# Altium PCB WX0.000.863拼板.PcbDoc (part 15 of 15)
Units mm, origin at the board's own origin, x right, y up, seen from the top; angles counter-clockwise.
Board outline 150.37 x 286.89 mm, 2 copper layers (Top Layer, Bottom Layer); 840 components, 0 nets, 2516 pads, 1604 vias.
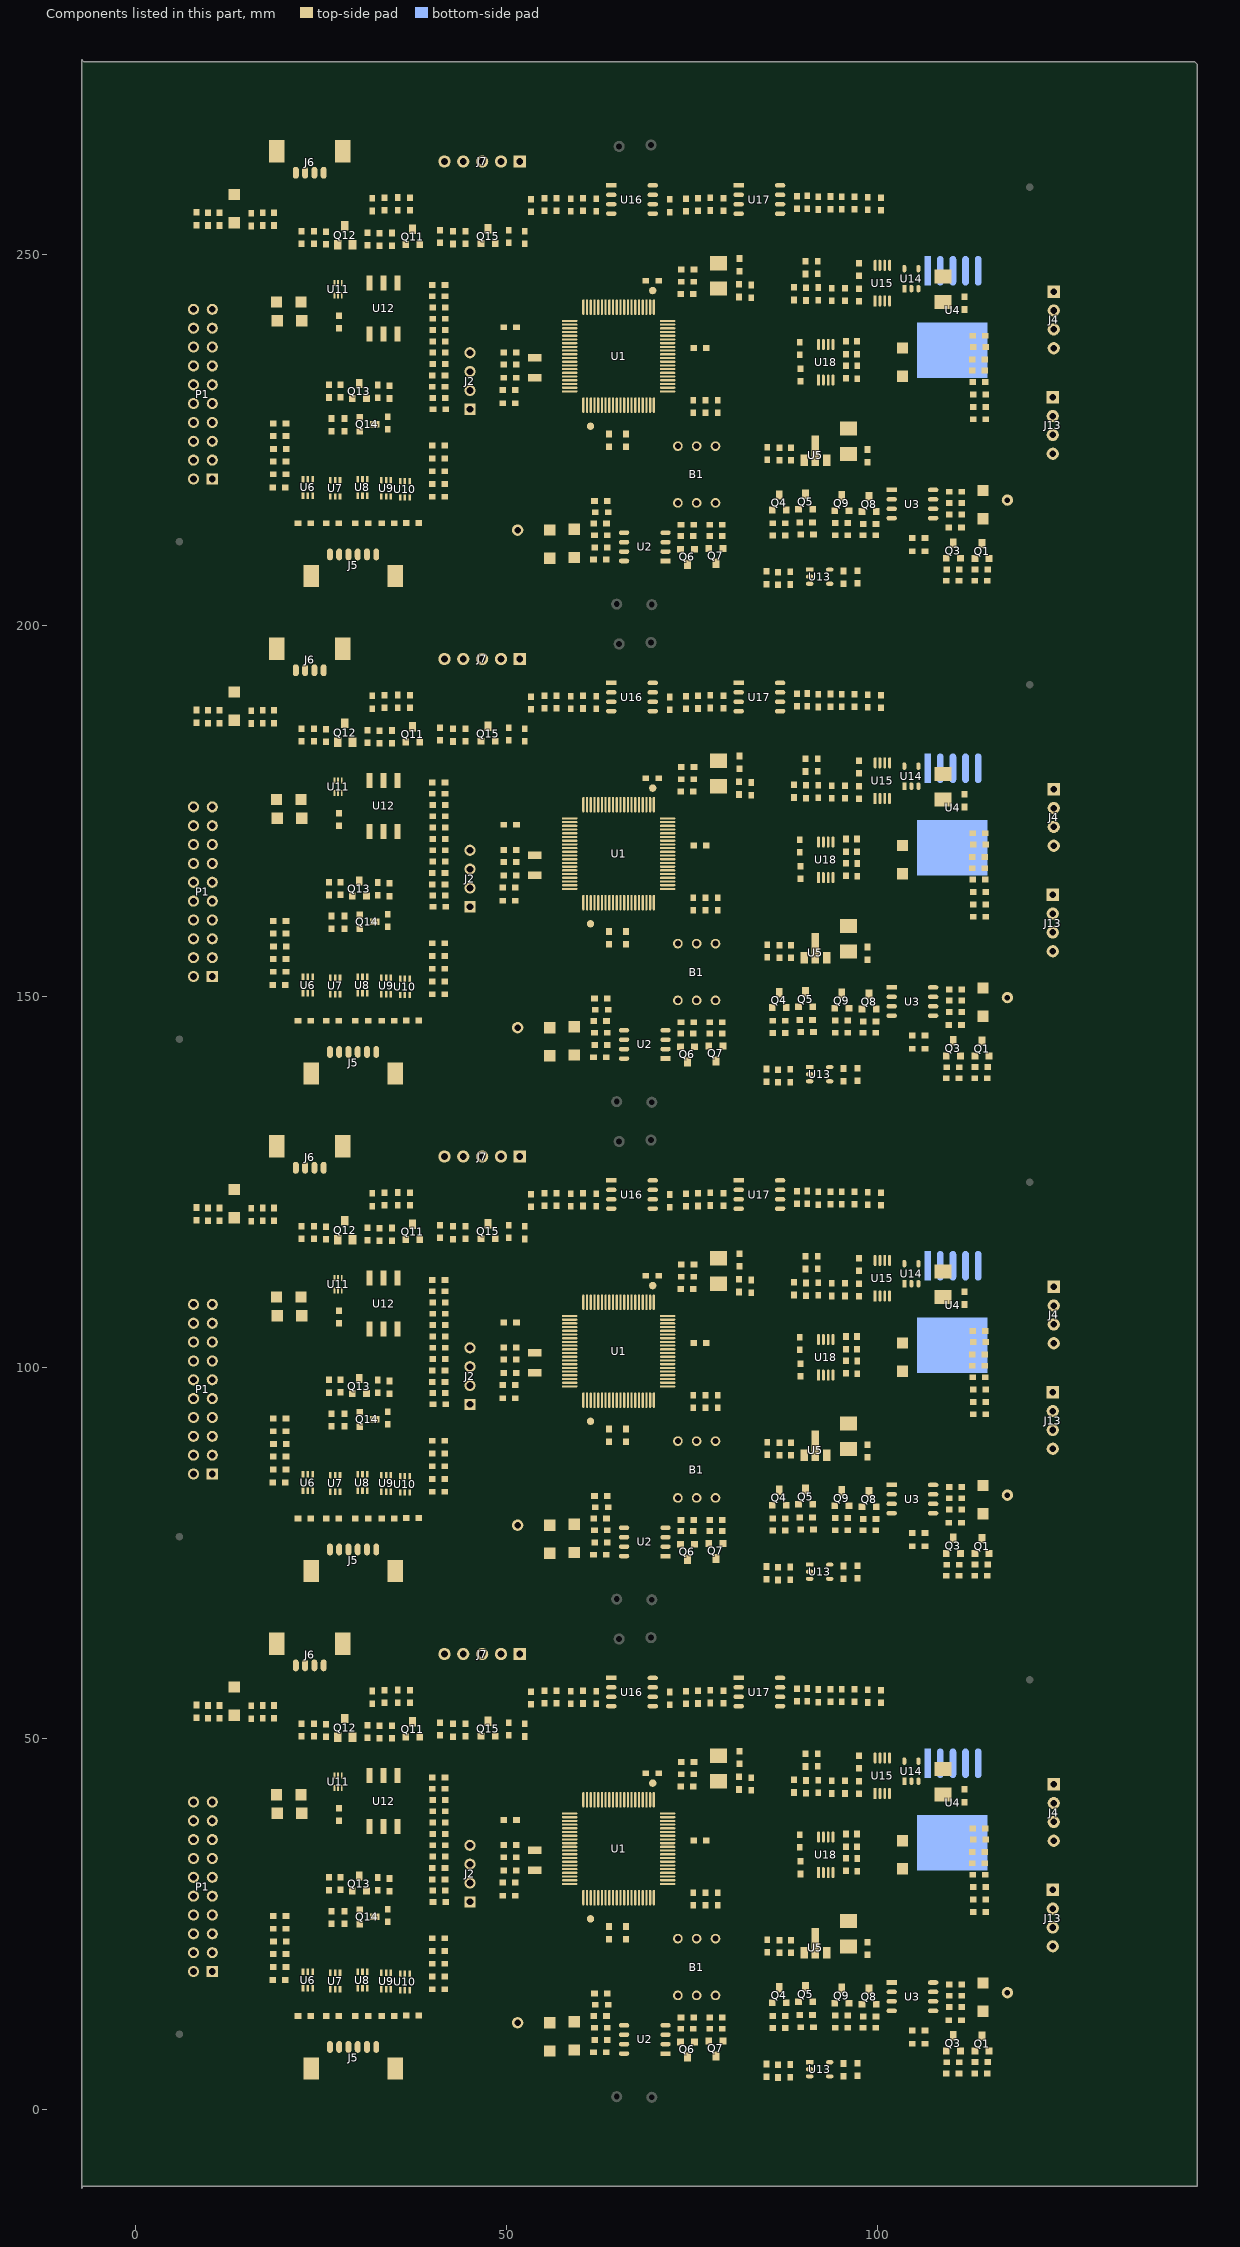
[diagram p15: the components of this part, seen from the top]

## Via types
v1: diameter 0.635, hole 0.381, Top Layer to Bottom Layer, tented both sides, 1604 vias

## Nets (pads, with @x,y where several pads share a name; then routed paths per layer and width w, separated by ;. In a path a pad name is that pad's centre, name@x,y a point inside that pad or via, vN(x,y) a via of type N, cw(c..) or ccw(c..) an arc to the next point about the centre after c; other vN are vias at no path point) (continued)
copper on no net: (continued)
  Bottom Layer w0.635: v1(80.391,17.78) 81.082,17.089 85.06,17.089 ; v1(80.391,84.836) 81.082,84.145 85.06,84.145 ; v1(80.391,151.892) 81.082,151.201 85.06,151.201 ; v1(80.391,218.948) 81.082,218.257 85.06,218.257 ; 84.729,17.089 ccw(c84.729,17.887) v1(85.293,17.323) ; 84.729,84.145 ccw(c84.729,84.943) v1(85.293,84.379) ; 84.729,151.201 ccw(c84.729,151.999) v1(85.293,151.435) ; 84.729,218.257 ccw(c84.729,219.055) v1(85.293,218.491) ; v1(102.184,26.365) 102.184,28.6 104.089,30.505 v1(104.191,30.505) ; v1(102.184,93.421) 102.184,95.656 104.089,97.561 v1(104.191,97.561) ; v1(102.184,160.477) 102.184,162.712 104.089,164.617 v1(104.191,164.617) ; v1(102.184,227.533) 102.184,229.768 104.089,231.673 v1(104.191,231.673) ; v1(102.591,41.326) 102.591,38.506 v1(103.149,37.948) ; v1(102.591,108.382) 102.591,105.562 v1(103.149,105.004) ; v1(102.591,175.438) 102.591,172.618 v1(103.149,172.06) ; v1(102.591,242.494) 102.591,239.674 v1(103.149,239.116) ; v1@104.496,45.263 104.496,42.367 109.347,42.367 110.185,43.205 110.185,46.614 ; v1@104.496,112.319 104.496,109.423 109.347,109.423 110.185,110.261 110.185,113.67 ; v1@104.496,179.375 104.496,176.479 109.347,176.479 110.185,177.317 110.185,180.726 ; v1@104.496,246.431 104.496,243.535 109.347,243.535 110.185,244.373 110.185,247.782 ; v1(105.613,45.491) 105.562,45.491 105.562,46.584 105.689,46.711 106.688,46.711 106.785,46.614 108.485,46.614 ; v1(105.613,112.547) 105.562,112.547 105.562,113.64 105.689,113.767 106.688,113.767 106.785,113.67 108.485,113.67 ; v1(105.613,179.603) 105.562,179.603 105.562,180.696 105.689,180.823 106.688,180.823 106.785,180.726 108.485,180.726 ; v1(105.613,246.659) 105.562,246.659 105.562,247.752 105.689,247.879 106.688,247.879 106.785,247.782 108.485,247.782 ; 106.231,46.711 cw(c106.231,46.06) 106.692,46.52 ; 106.231,113.767 cw(c106.231,113.116) 106.692,113.576 ; 106.231,180.823 cw(c106.231,180.172) 106.692,180.632 ; 106.231,247.879 cw(c106.231,247.228) 106.692,247.688 ; 110.085,35.916 110.085,36.679 v1(110.388,36.982) ccw(c111.12,36.25) 110.085,36.25 ; 110.085,102.972 110.085,103.735 v1(110.388,104.038) ccw(c111.12,103.306) 110.085,103.306 ; 110.085,170.028 110.085,170.791 v1(110.388,171.094) ccw(c111.12,170.362) 110.085,170.362 ; 110.085,237.084 110.085,237.847 v1(110.388,238.15) ccw(c111.12,237.418) 110.085,237.418
  Bottom Layer w0.762: 105.005,35.966 cw(c105.005,34.113) 106.701,34.862 ; 105.005,103.022 cw(c105.005,101.169) 106.701,101.918 ; 105.005,170.078 cw(c105.005,168.225) 106.701,168.974 ; 105.005,237.134 cw(c105.005,235.281) 106.701,236.03 ; 105.041,35.966 ccw(c105.041,37.837) 106.73,37.034 ; 105.041,103.022 ccw(c105.041,104.893) 106.73,104.09 ; 105.041,170.078 ccw(c105.041,171.949) 106.73,171.146 ; 105.041,237.134 ccw(c105.041,239.005) 106.73,238.202 ; 106.004,34.554 ccw(c103.835,33.596) 103.835,35.966 ; 106.004,101.61 ccw(c103.835,100.652) 103.835,103.022 ; 106.004,168.666 ccw(c103.835,167.708) 103.835,170.078 ; 106.004,235.722 ccw(c103.835,234.764) 103.835,237.134 ; 106.042,37.361 cw(c103.835,38.409) 103.835,35.966 ; 106.042,104.417 cw(c103.835,105.465) 103.835,103.022 ; 106.042,171.473 cw(c103.835,172.521) 103.835,170.078 ; 106.042,238.529 cw(c103.835,239.577) 103.835,237.134 ; 108.298,38.772 ccw(c105.938,42.545) 110.388,42.545 ; 108.298,105.828 ccw(c105.938,109.601) 110.388,109.601 ; 108.298,172.884 ccw(c105.938,176.657) 110.388,176.657 ; 108.298,239.94 ccw(c105.938,243.713) 110.388,243.713 ; 108.703,38.126 ccw(c106.799,41.169) 110.388,41.169 ; 108.703,105.182 ccw(c106.799,108.225) 110.388,108.225 ; 108.703,172.238 ccw(c106.799,175.281) 110.388,175.281 ; 108.703,239.294 ccw(c106.799,242.337) 110.388,242.337 ; 108.85,32.781 cw(c107.96,30.522) 110.388,30.522 cw(c113.297,30.522) 111.809,33.021 ; 108.85,99.837 cw(c107.96,97.578) 110.388,97.578 cw(c113.297,97.578) 111.809,100.077 ; 108.85,166.893 cw(c107.96,164.634) 110.388,164.634 cw(c113.297,164.634) 111.809,167.133 ; 108.85,233.949 cw(c107.96,231.69) 110.388,231.69 cw(c113.297,231.69) 111.809,234.189 ; 109.107,37.48 ccw(c107.659,39.794) 110.388,39.794 ; 109.107,104.536 ccw(c107.659,106.85) 110.388,106.85 ; 109.107,171.592 ccw(c107.659,173.906) 110.388,173.906 ; 109.107,238.648 ccw(c107.659,240.962) 110.388,240.962 ; 109.13,33.49 cw(c108.401,31.642) 110.388,31.642 ; 109.13,100.546 cw(c108.401,98.698) 110.388,98.698 ; 109.13,167.602 cw(c108.401,165.754) 110.388,165.754 ; 109.13,234.658 cw(c108.401,232.81) 110.388,232.81 ; 110.388,30.531 110.388,42.545 ; 110.388,31.863 cw(c112.498,31.863) 111.419,33.676 ; 110.388,40.897 ccw(c114.318,40.897) 111.773,37.903 ; 110.388,97.587 110.388,109.601 ; 110.388,98.919 cw(c112.498,98.919) 111.419,100.732 ; 110.388,107.953 ccw(c114.318,107.953) 111.773,104.959 ; 110.388,164.643 110.388,176.657 ; 110.388,165.975 cw(c112.498,165.975) 111.419,167.788 ; 110.388,175.009 ccw(c114.318,175.009) 111.773,172.015 ; 110.388,231.699 110.388,243.713 ; 110.388,233.031 cw(c112.498,233.031) 111.419,234.844 ; 110.388,242.065 ccw(c114.318,242.065) 111.773,239.071 ; 112.267,38.483 cw(c115.718,42.545) 110.388,42.545 ; 112.267,105.539 cw(c115.718,109.601) 110.388,109.601 ; 112.267,172.595 cw(c115.718,176.657) 110.388,176.657 ; 112.267,239.651 cw(c115.718,243.713) 110.388,243.713 ; 113.436,37.043 ccw(c115.147,37.864) 115.147,35.966 ; 113.436,104.099 ccw(c115.147,104.92) 115.147,103.022 ; 113.436,171.155 ccw(c115.147,171.976) 115.147,170.078 ; 113.436,238.211 ccw(c115.147,239.032) 115.147,237.134 ; 113.466,34.853 cw(c115.182,34.086) 115.182,35.966 ; 113.466,101.909 cw(c115.182,101.142) 115.182,103.022 ; 113.466,168.965 cw(c115.182,168.198) 115.182,170.078 ; 113.466,236.021 cw(c115.182,235.254) 115.182,237.134 ; 114.123,37.373 ccw(c116.357,38.444) 116.357,35.966 ; 114.123,104.429 ccw(c116.357,105.5) 116.357,103.022 ; 114.123,171.485 ccw(c116.357,172.556) 116.357,170.078 ; 114.123,238.541 ccw(c116.357,239.612) 116.357,237.134 ; 114.161,34.542 cw(c116.357,33.562) 116.357,35.966 ; 114.161,101.598 cw(c116.357,100.618) 116.357,103.022 ; 114.161,168.654 cw(c116.357,167.674) 116.357,170.078 ; 114.161,235.71 cw(c116.357,234.73) 116.357,237.134 ; 114.825,35.966 ccw(c114.825,37.981) v1@116.25,36.556 ; 114.825,103.022 ccw(c114.825,105.037) v1@116.25,103.612 ; 114.825,170.078 ccw(c114.825,172.093) v1@116.25,170.668 ; 114.825,237.134 ccw(c114.825,239.149) v1@116.25,237.724 ; 116.243,35.852 ccw(c115.843,36.253) v1@116.251,36.645 ; 116.243,102.908 ccw(c115.843,103.309) v1@116.251,103.701 ; 116.243,169.964 ccw(c115.843,170.365) v1@116.251,170.757 ; 116.243,237.02 ccw(c115.843,237.421) v1@116.251,237.813 ; 116.561,36.17 116.357,35.966 ; 116.561,103.226 116.357,103.022 ; 116.561,170.282 116.357,170.078 ; 116.561,237.338 116.357,237.134 ; 103.835,35.966 116.357,35.966 ; 103.835,103.022 116.357,103.022 ; 103.835,170.078 116.357,170.078 ; 103.835,237.134 116.357,237.134
  other v1: 36.906,0.711 15.138,0.94 94.082,0.94 29.693,1.016 52.172,1.168 61.595,1.219 105.969,1.27 72.365,1.295 118.085,1.321 82.22,1.448 67.462,2.565 56.464,3.073 103.505,4.851 92.38,5.156 37.516,5.258 83.817,5.591 61.493,6.375 99.111,6.655 49.276,6.909 67.462,7.061 69.774,7.188 4.877,7.239 82.27,7.341 87.96,7.341 103.022,7.518 107.874,7.671 57.531,7.696 14.707,7.849 78.003,8.534 119.253,8.636 124.562,9.754 96.748,9.957 46.761,10.058 18.923,10.262 8.966,10.312 92.71,10.414 67.513,11.481 107.975,11.532 43.205,11.913 105.029,12.065 112.776,12.09 70.688,12.827 119.99,12.827 57.835,13.081 24.054,14.91 14.402,15.164 65.608,15.57 20.701,15.596 68.809,15.697 103.682,15.824 8.611,16.485 92.685,16.535 53.061,16.84 123.977,17.399 4.039,17.501 14.173,18.39 47.6,19.126 59.741,19.355 106.477,19.533 102.159,19.66 67.945,19.736 88.112,19.812 73.101,19.939 94.843,19.964 78.435,20.32 113.716,22.555 35.306,23.546 29.794,23.597 23.825,23.927 103.048,24.359 4.115,25.857 23.901,26.441 79.324,26.619 111.049,26.822 52.426,26.899 54.127,27.153 87.071,27.178 56.388,27.203 100.355,27.331 47.32,27.407 91.542,27.661 17.552,27.94 58.013,28.702 105.943,28.956 121.158,30.175 91.186,30.353 47.93,30.531 53.01,30.556 54.381,30.81 64.237,30.81 86.335,30.836 22.2,30.886 19.583,31.547 116.484,31.547 98.908,32.715 125.298,32.868 121.158,33.198 69.621,33.528 62.916,33.706 65.608,33.706 47.625,34.493 84.252,35.103 80.086,35.433 64.719,36.17 116.205,36.601 4.445,36.855 106.426,37.186 84.252,37.592 87.249,37.617 38.608,37.668 79.807,37.719 91.084,37.871 32.029,39.675 65.024,39.98 12.751,40.157 52.857,40.792 51.867,40.996 117.323,41.123 114.351,41.148 87.071,42.647 84.582,43.129 113.335,43.561 4.597,44.907 16.027,44.907 116.383,45.187 11.151,45.212 93.04,45.288 43.307,45.949 39.497,46.279 46.99,46.431 51.638,46.533 82.753,46.888 115.595,47.142 125.552,47.523 85.166,48.285 87.401,48.285 37.008,48.717 14.986,49.784 54.204,50.228 59.436,50.292 4.801,50.317 66.929,50.419 71.704,50.546 76.149,50.597 82.88,50.902 110.338,51.791 102.565,51.841 117.551,51.841 39.141,52.095 99.847,52.375 69.444,52.68 82.982,52.959 85.573,52.959 59.766,52.984 77.648,52.984 91.44,53.035 97.333,53.137 49.073,54.204 65.811,54.28 41.453,55.677 27.356,55.982 46.228,56.236 38.887,56.261 22.758,56.845 68.021,57.353 14.757,57.506 125.679,57.633 66.091,57.709 4.674,58.115 101.854,58.369 18.085,58.522 88.976,58.547 46.66,58.674 110.287,58.674 48.946,58.953 37.338,59.817 30.912,59.868 62.23,60.147 80.01,60.376 71.247,60.579 16.129,63.17 118.313,63.297 10.135,63.5 109.957,63.5 73.863,63.576 37.059,63.652 101.575,63.729 41.402,63.754 30.988,63.779 80.112,63.83 51.765,63.856 62.078,63.881 91.669,63.881 36.906,67.767 15.138,67.996 94.082,67.996 29.693,68.072 52.172,68.224 61.595,68.275 105.969,68.326 72.365,68.351 118.085,68.377 82.22,68.504 67.462,69.621 56.464,70.129 103.505,71.907 92.38,72.212 37.516,72.314 83.817,72.647 61.493,73.431 99.111,73.711 49.276,73.965 67.462,74.117 69.774,74.244 4.877,74.295 82.27,74.397 87.96,74.397 103.022,74.574 107.874,74.727 57.531,74.752 14.707,74.905 78.003,75.59 119.253,75.692 124.562,76.81 96.748,77.013 46.761,77.114 18.923,77.318 8.966,77.368 92.71,77.47 67.513,78.537 107.975,78.588 43.205,78.969 105.029,79.121 112.776,79.146 70.688,79.883 119.99,79.883 57.835,80.137 24.054,81.966 14.402,82.22 65.608,82.626 20.701,82.652 68.809,82.753 103.682,82.88 8.611,83.541 92.685,83.591 53.061,83.896 123.977,84.455 4.039,84.557 14.173,85.446 47.6,86.182 59.741,86.411 106.477,86.589 102.159,86.716 67.945,86.792 88.112,86.868 73.101,86.995 94.843,87.02 78.435,87.376 113.716,89.611 35.306,90.602 29.794,90.653 23.825,90.983 103.048,91.415 4.115,92.913 23.901,93.497 79.324,93.675 111.049,93.878 52.426,93.955 54.127,94.209 87.071,94.234 56.388,94.259 100.355,94.387 47.32,94.463 91.542,94.717 17.552,94.996 58.013,95.758 105.943,96.012 121.158,97.231 91.186,97.409 47.93,97.587 53.01,97.612 54.381,97.866 64.237,97.866 86.335,97.892 22.2,97.942 19.583,98.603 116.484,98.603 98.908,99.771 125.298,99.924 121.158,100.254 69.621,100.584 62.916,100.762 65.608,100.762 47.625,101.549 84.252,102.159 80.086,102.489 64.719,103.226 116.205,103.657 4.445,103.911 106.426,104.242 84.252,104.648 87.249,104.673 38.608,104.724 79.807,104.775 91.084,104.927 32.029,106.731 65.024,107.036 12.751,107.213 52.857,107.848 51.867,108.052 117.323,108.179 114.351,108.204 87.071,109.703 84.582,110.185 113.335,110.617 4.597,111.963 16.027,111.963 116.383,112.243 11.151,112.268 93.04,112.344 43.307,113.005 39.497,113.335 46.99,113.487 51.638,113.589 82.753,113.944 115.595,114.198 125.552,114.579 85.166,115.341 87.401,115.341 37.008,115.773 14.986,116.84 54.204,117.284 59.436,117.348 4.801,117.373 66.929,117.475 71.704,117.602 76.149,117.653 82.88,117.958 110.338,118.847 102.565,118.897 117.551,118.897 39.141,119.151 99.847,119.431 69.444,119.736 82.982,120.015 85.573,120.015 59.766,120.04 77.648,120.04 91.44,120.091 97.333,120.193 49.073,121.26 65.811,121.336 41.453,122.733 27.356,123.038 46.228,123.292 38.887,123.317 22.758,123.901 68.021,124.409 14.757,124.562 125.679,124.689 66.091,124.765 4.674,125.171 101.854,125.425 18.085,125.578 88.976,125.603 46.66,125.73 110.287,125.73 48.946,126.009 37.338,126.873 30.912,126.924 62.23,127.203 80.01,127.432 71.247,127.635 16.129,130.226 118.313,130.353 10.135,130.556 109.957,130.556 73.863,130.632 37.059,130.708 101.575,130.785 41.402,130.81 30.988,130.835 80.112,130.886 51.765,130.912 62.078,130.937 91.669,130.937 36.906,134.823 15.138,135.052 94.082,135.052 29.693,135.128 52.172,135.28 61.595,135.331 105.969,135.382 72.365,135.407 118.085,135.433 82.22,135.56 67.462,136.677 56.464,137.185 103.505,138.963 92.38,139.268 37.516,139.37 83.817,139.703 61.493,140.487 99.111,140.767 49.276,141.021 67.462,141.173 69.774,141.3 4.877,141.351 82.27,141.453 87.96,141.453 103.022,141.63 107.874,141.783 57.531,141.808 14.707,141.961 78.003,142.646 119.253,142.748 124.562,143.866 96.748,144.069 46.761,144.17 18.923,144.374 8.966,144.424 92.71,144.526 67.513,145.593 107.975,145.644 43.205,146.025 105.029,146.177 112.776,146.202 70.688,146.939 119.99,146.939 57.835,147.193 24.054,149.022 14.402,149.276 65.608,149.682 20.701,149.708 68.809,149.809 103.682,149.936 8.611,150.597 92.685,150.647 53.061,150.952 123.977,151.511 4.039,151.613 14.173,152.502 47.6,153.238 59.741,153.467 106.477,153.645 102.159,153.772 67.945,153.848 88.112,153.924 73.101,154.051 94.843,154.076 78.435,154.432 113.716,156.667 35.306,157.658 29.794,157.709 23.825,158.039 103.048,158.471 4.115,159.969 23.901,160.553 79.324,160.731 111.049,160.934 52.426,161.011 54.127,161.265 87.071,161.29 56.388,161.315 100.355,161.443 47.32,161.519 91.542,161.773 17.552,162.052 58.013,162.814 105.943,163.068 121.158,164.287 91.186,164.465 47.93,164.643 53.01,164.668 54.381,164.922 64.237,164.922 86.335,164.948 22.2,164.998 19.583,165.659 116.484,165.659 98.908,166.827 125.298,166.98 121.158,167.31 69.621,167.64 62.916,167.818 65.608,167.818 47.625,168.605 84.252,169.215 80.086,169.545 64.719,170.282 116.205,170.713 4.445,170.967 106.426,171.298 84.252,171.704 87.249,171.729 38.608,171.78 79.807,171.831 91.084,171.983 32.029,173.787 65.024,174.092 12.751,174.269 52.857,174.904 51.867,175.108 117.323,175.235 114.351,175.26 87.071,176.759 84.582,177.241 113.335,177.673 4.597,179.019 16.027,179.019 116.383,179.299 11.151,179.324 93.04,179.4 43.307,180.061 39.497,180.391 46.99,180.543 51.638,180.645 82.753,181 115.595,181.254 125.552,181.635 85.166,182.397 87.401,182.397 37.008,182.829 14.986,183.896 54.204,184.34 59.436,184.404 4.801,184.429 66.929,184.531 71.704,184.658 76.149,184.709 82.88,185.014 110.338,185.903 102.565,185.953 117.551,185.953 39.141,186.207 99.847,186.487 69.444,186.792 82.982,187.071 85.573,187.071 59.766,187.096 77.648,187.096 91.44,187.147 97.333,187.249 49.073,188.316 65.811,188.392 41.453,189.789 27.356,190.094 46.228,190.348 38.887,190.373 22.758,190.957 68.021,191.465 14.757,191.618 125.679,191.745 66.091,191.821 4.674,192.227 101.854,192.481 18.085,192.634 88.976,192.659 46.66,192.786 110.287,192.786 48.946,193.065 37.338,193.929 30.912,193.98 62.23,194.259 80.01,194.488 71.247,194.691 16.129,197.282 118.313,197.409 10.135,197.612 109.957,197.612 73.863,197.688 37.059,197.764 101.575,197.841 41.402,197.866 30.988,197.891 80.112,197.942 51.765,197.968 62.078,197.993 91.669,197.993 36.906,201.879 15.138,202.108 94.082,202.108 29.693,202.184 52.172,202.336 61.595,202.387 105.969,202.438 72.365,202.463 118.085,202.489 82.22,202.616 67.462,203.733 56.464,204.241 103.505,206.019 92.38,206.324 37.516,206.426 83.817,206.759 61.493,207.543 99.111,207.823 49.276,208.077 67.462,208.229 69.774,208.356 4.877,208.407 82.27,208.509 87.96,208.509 103.022,208.686 107.874,208.839 57.531,208.864 14.707,209.017 78.003,209.702 119.253,209.804 124.562,210.922 96.748,211.125 46.761,211.226 18.923,211.43 8.966,211.48 92.71,211.582 67.513,212.649 107.975,212.7 43.205,213.081 105.029,213.233 112.776,213.258 70.688,213.995 119.99,213.995 57.835,214.249 24.054,216.078 14.402,216.332 65.608,216.738 20.701,216.764 68.809,216.865 103.682,216.992 8.611,217.653 92.685,217.703 53.061,218.008 123.977,218.567 4.039,218.669 14.173,219.558 47.6,220.294 59.741,220.523 106.477,220.701 102.159,220.828 67.945,220.904 88.112,220.98 73.101,221.107 94.843,221.132 78.435,221.488 113.716,223.723 35.306,224.714 29.794,224.765 23.825,225.095 103.048,225.527 4.115,227.025 23.901,227.609 79.324,227.787 111.049,227.99 52.426,228.067 54.127,228.321 87.071,228.346 56.388,228.371 100.355,228.499 47.32,228.575 91.542,228.829 17.552,229.108 58.013,229.87 105.943,230.124 121.158,231.343 91.186,231.521 47.93,231.699 53.01,231.724 54.381,231.978 64.237,231.978 86.335,232.004 22.2,232.054 19.583,232.715 116.484,232.715 98.908,233.883 125.298,234.036 121.158,234.366 69.621,234.696 62.916,234.874 65.608,234.874 47.625,235.661 84.252,236.271 80.086,236.601 64.719,237.338 116.205,237.769 4.445,238.023 106.426,238.354 84.252,238.76 87.249,238.785 38.608,238.836 79.807,238.887 91.084,239.039 32.029,240.843 65.024,241.148 12.751,241.325 52.857,241.96 51.867,242.164 117.323,242.291 114.351,242.316 87.071,243.815 84.582,244.297 113.335,244.729 4.597,246.075 16.027,246.075 116.383,246.355 11.151,246.38 93.04,246.456 43.307,247.117 39.497,247.447 46.99,247.599 51.638,247.701 82.753,248.056 115.595,248.31 125.552,248.691 85.166,249.453 87.401,249.453 37.008,249.885 14.986,250.952 54.204,251.396 59.436,251.46 4.801,251.485 66.929,251.587 71.704,251.714 76.149,251.765 82.88,252.07 110.338,252.959 102.565,253.009 117.551,253.009 39.141,253.263 99.847,253.543 69.444,253.848 82.982,254.127 85.573,254.127 59.766,254.152 77.648,254.152 91.44,254.203 97.333,254.305 49.073,255.372 65.811,255.448 41.453,256.845 27.356,257.15 46.228,257.404 38.887,257.429 22.758,258.013 68.021,258.521 14.757,258.674 125.679,258.801 66.091,258.877 4.674,259.283 101.854,259.537 18.085,259.69 88.976,259.715 46.66,259.842 110.287,259.842 48.946,260.121 37.338,260.985 30.912,261.036 62.23,261.315 80.01,261.544 71.247,261.747 16.129,264.338 118.313,264.465 10.135,264.668 109.957,264.668 73.863,264.744 37.059,264.82 101.575,264.897 41.402,264.922 30.988,264.947 80.112,264.998 51.765,265.024 62.078,265.049 91.669,265.049

## Polygon pours and split planes (outlines as drawn)
no net on Top Layer "Top Layer-No Net" (solid, remove dead copper, pour order 1010): 1.676,-1.422 130.073,-1.422 130.073,66.373 130.175,66.496 130.073,66.373 110.566,66.373 2.007,66.373 1.778,66.65 1.778,-0.93 1.575,-1.176
no net on Top Layer "Top Layer-No Net" (solid, remove dead copper, pour order 1009): 1.676,65.634 130.073,65.634 130.073,133.429 130.175,133.552 130.073,133.429 110.566,133.429 2.007,133.429 1.778,133.706 1.778,66.126 1.575,65.88
no net on Top Layer "Top Layer-No Net" (solid, remove dead copper, pour order 1008): 1.676,132.69 130.073,132.69 130.073,200.485 130.175,200.608 130.073,200.485 110.566,200.485 2.007,200.485 1.778,200.762 1.778,133.182 1.575,132.936
no net on Top Layer "Top Layer-No Net" (solid, remove dead copper, pour order 1007): 1.676,199.746 130.073,199.746 130.073,267.541 130.175,267.664 130.073,267.541 110.566,267.541 2.007,267.541 1.778,267.818 1.778,200.238 1.575,199.992
no net on Bottom Layer "Top Layer-No Net" (solid, remove dead copper, pour order 1006): 0.813,66.929 0.813,-3.48 72.873,-3.48 128.575,-3.48 128.575,66.008 128.143,66.53 127.813,66.929 0.813,66.929
no net on Bottom Layer "Top Layer-No Net" (solid, remove dead copper, pour order 1005): 0.813,133.985 0.813,63.576 72.873,63.576 128.575,63.576 128.575,133.064 128.143,133.586 127.813,133.985 0.813,133.985
no net on Bottom Layer "Top Layer-No Net" (solid, remove dead copper, pour order 1004): 0.813,201.041 0.813,130.632 72.873,130.632 128.575,130.632 128.575,200.12 128.143,200.642 127.813,201.041 0.813,201.041
no net on Bottom Layer "Top Layer-No Net" (solid, remove dead copper, pour order 1003): 0.813,268.097 0.813,197.688 72.873,197.688 128.575,197.688 128.575,267.176 128.143,267.698 127.813,268.097 0.813,268.097

## Keep-outs
Keep-Out Layer:
  circle w0.254: c123.822,3.025 r1.6
  circle w0.254: c6.175,3 r1.6
  circle w0.254: c5.944,62.433 r1.6
  circle w0.254: c124.003,62.357 r1.6
  circle w0.254: c123.822,70.081 r1.6
  circle w0.254: c6.175,70.056 r1.6
  circle w0.254: c5.944,129.489 r1.6
  circle w0.254: c124.003,129.413 r1.6
  circle w0.254: c123.822,137.137 r1.6
  circle w0.254: c6.175,137.112 r1.6
  circle w0.254: c5.944,196.545 r1.6
  circle w0.254: c124.003,196.469 r1.6
  circle w0.254: c123.822,204.193 r1.6
  circle w0.254: c6.175,204.168 r1.6
  circle w0.254: c5.944,263.601 r1.6
  circle w0.254: c124.003,263.525 r1.6
  lines w0.127: 3.175,0 0,0 0,266.065 0.102,266.167 3.429,266.167 ; 3.175,22.987 3.175,219.202 ; 3.175,52.172 3.175,59.995 3.2,60.02 3.2,64.922 3.124,64.999 126.822,64.999 126.822,52.502 ; 3.175,119.228 3.175,127.051 3.2,127.076 3.2,131.978 3.124,132.055 126.822,132.055 126.822,119.558 ; 3.175,186.284 3.175,194.107 3.2,194.132 3.2,199.034 3.124,199.111 126.822,199.111 126.822,186.614 ; 3.175,253.34 3.175,261.163 3.2,261.188 3.2,266.09 3.124,266.167 126.822,266.167 126.822,253.67 ; 126.238,266.167 130.023,266.167 130.048,266.192 130.048,0 126.797,0 ; 126.822,64.135 126.822,203.327
  lines w0.203: 3.175,53.147 3.175,0 13.665,0 ; 3.175,120.203 3.175,67.056 13.665,67.056 ; 3.175,187.259 3.175,134.112 13.665,134.112 ; 3.175,254.315 3.175,201.168 13.665,201.168 ; 12.674,0 56.286,0 ; 12.674,67.056 56.286,67.056 ; 12.674,134.112 56.286,134.112 ; 12.674,201.168 56.286,201.168 ; 54.508,0 124.562,0 ; 54.508,67.056 124.562,67.056 ; 54.508,134.112 124.562,134.112 ; 54.508,201.168 124.562,201.168 ; 123.19,0 126.797,0 126.822,0.025 126.822,53.162 ; 123.19,67.056 126.797,67.056 126.822,67.081 126.822,120.218 ; 123.19,134.112 126.797,134.112 126.822,134.137 126.822,187.274 ; 123.19,201.168 126.797,201.168 126.822,201.193 126.822,254.33

## Other copper
Top Layer:
  rectangle: 61.925,0.61 72.212,3.607
  rectangle: 63.322,61.671 70.917,64.44
  rectangle: 61.925,67.666 72.212,70.663
  rectangle: 63.322,128.727 70.917,131.496
  rectangle: 61.925,134.722 72.212,137.719
  rectangle: 63.322,195.783 70.917,198.552
  rectangle: 61.925,201.778 72.212,204.775
  rectangle: 63.322,262.839 70.917,265.608
Bottom Layer:
  rectangle: 62.738,0.533 71.577,3.531
  rectangle: 62.586,61.112 71.628,64.44
  rectangle: 62.738,67.589 71.577,70.587
  rectangle: 62.586,128.168 71.628,131.496
  rectangle: 62.738,134.645 71.577,137.643
  rectangle: 62.586,195.224 71.628,198.552
  rectangle: 62.738,201.701 71.577,204.699
  rectangle: 62.586,262.28 71.628,265.608

## Silkscreen, mask and mechanical layers (free items; w line width, h text height)
Top Overlay:
  drawing of 568 lines, arcs and shapes, not listed
  text "3" at 77.8,226.162 h0.81
  text "2" at 75.209,226.136 h0.81
  text "1" at 72.771,226.06 h0.81
  text "VIN" at 50.597,213.94 h0.81
  text "designed by cc" at 38.456,206.985 h0.81
  text "VIEWSHINE" at 8.799,206.311 h1.78
  text "WX0.001.613PCB" at 38.583,205.74 h0.81
  text "2017.08.23" at 38.862,204.47 h0.81
  text "V1.0.1" at 39.091,203.121 h0.81
  text "3" at 77.8,159.106 h0.81
  text "2" at 75.209,159.08 h0.81
  text "1" at 72.771,159.004 h0.81
  text "VIN" at 50.597,146.884 h0.81
  text "designed by cc" at 38.456,139.929 h0.81
  text "VIEWSHINE" at 8.799,139.255 h1.78
  text "WX0.001.613PCB" at 38.583,138.684 h0.81
  text "2017.08.23" at 38.862,137.414 h0.81
  text "V1.0.1" at 39.091,136.065 h0.81
  text "3" at 77.8,92.05 h0.81
  text "2" at 75.209,92.024 h0.81
  text "1" at 72.771,91.948 h0.81
  text "VIN" at 50.597,79.828 h0.81
  text "designed by cc" at 38.456,72.873 h0.81
  text "VIEWSHINE" at 8.799,72.199 h1.78
  text "WX0.001.613PCB" at 38.583,71.628 h0.81
  text "2017.08.23" at 38.862,70.358 h0.81
  text "V1.0.1" at 39.091,69.009 h0.81
  text "3" at 77.8,24.994 h0.81
  text "2" at 75.209,24.968 h0.81
  text "1" at 72.771,24.892 h0.81
  text "VIN" at 50.597,12.772 h0.81
  text "designed by cc" at 38.456,5.817 h0.81
  text "VIEWSHINE" at 8.799,5.143 h1.78
  text "WX0.001.613PCB" at 38.583,4.572 h0.81
  text "2017.08.23" at 38.862,3.302 h0.81
  text "V1.0.1" at 39.091,1.953 h0.81
Top Solder:
  rectangle: 63.652,0.737 70.612,2.515
  rectangle: 63.83,62.611 70.79,64.389
  rectangle: 63.652,67.793 70.612,69.571
  rectangle: 63.83,129.667 70.79,131.445
  rectangle: 63.652,134.849 70.612,136.627
  rectangle: 63.83,196.723 70.79,198.501
  rectangle: 63.652,201.905 70.612,203.683
  rectangle: 63.83,263.779 70.79,265.557

## Text inside footprints (layer, text, board x,y; h text height)
P1: Top Overlay "20" at 8.331,42.933 h0.81 r90; Top Overlay "19" at 10.871,42.933 h0.81 r90; Top Overlay "1" at 10.871,16.009 h0.81 r90; Top Overlay "2" at 8.331,16.009 h0.81 r90
P1: Top Overlay "20" at 8.331,109.989 h0.81 r90; Top Overlay "19" at 10.871,109.989 h0.81 r90; Top Overlay "1" at 10.871,83.065 h0.81 r90; Top Overlay "2" at 8.331,83.065 h0.81 r90
P1: Top Overlay "20" at 8.331,177.045 h0.81 r90; Top Overlay "19" at 10.871,177.045 h0.81 r90; Top Overlay "1" at 10.871,150.121 h0.81 r90; Top Overlay "2" at 8.331,150.121 h0.81 r90
P1: Top Overlay "20" at 8.331,244.101 h0.81 r90; Top Overlay "19" at 10.871,244.101 h0.81 r90; Top Overlay "1" at 10.871,217.177 h0.81 r90; Top Overlay "2" at 8.331,217.177 h0.81 r90